# Allegro board meta_module_lay_rev1.brd (continued)
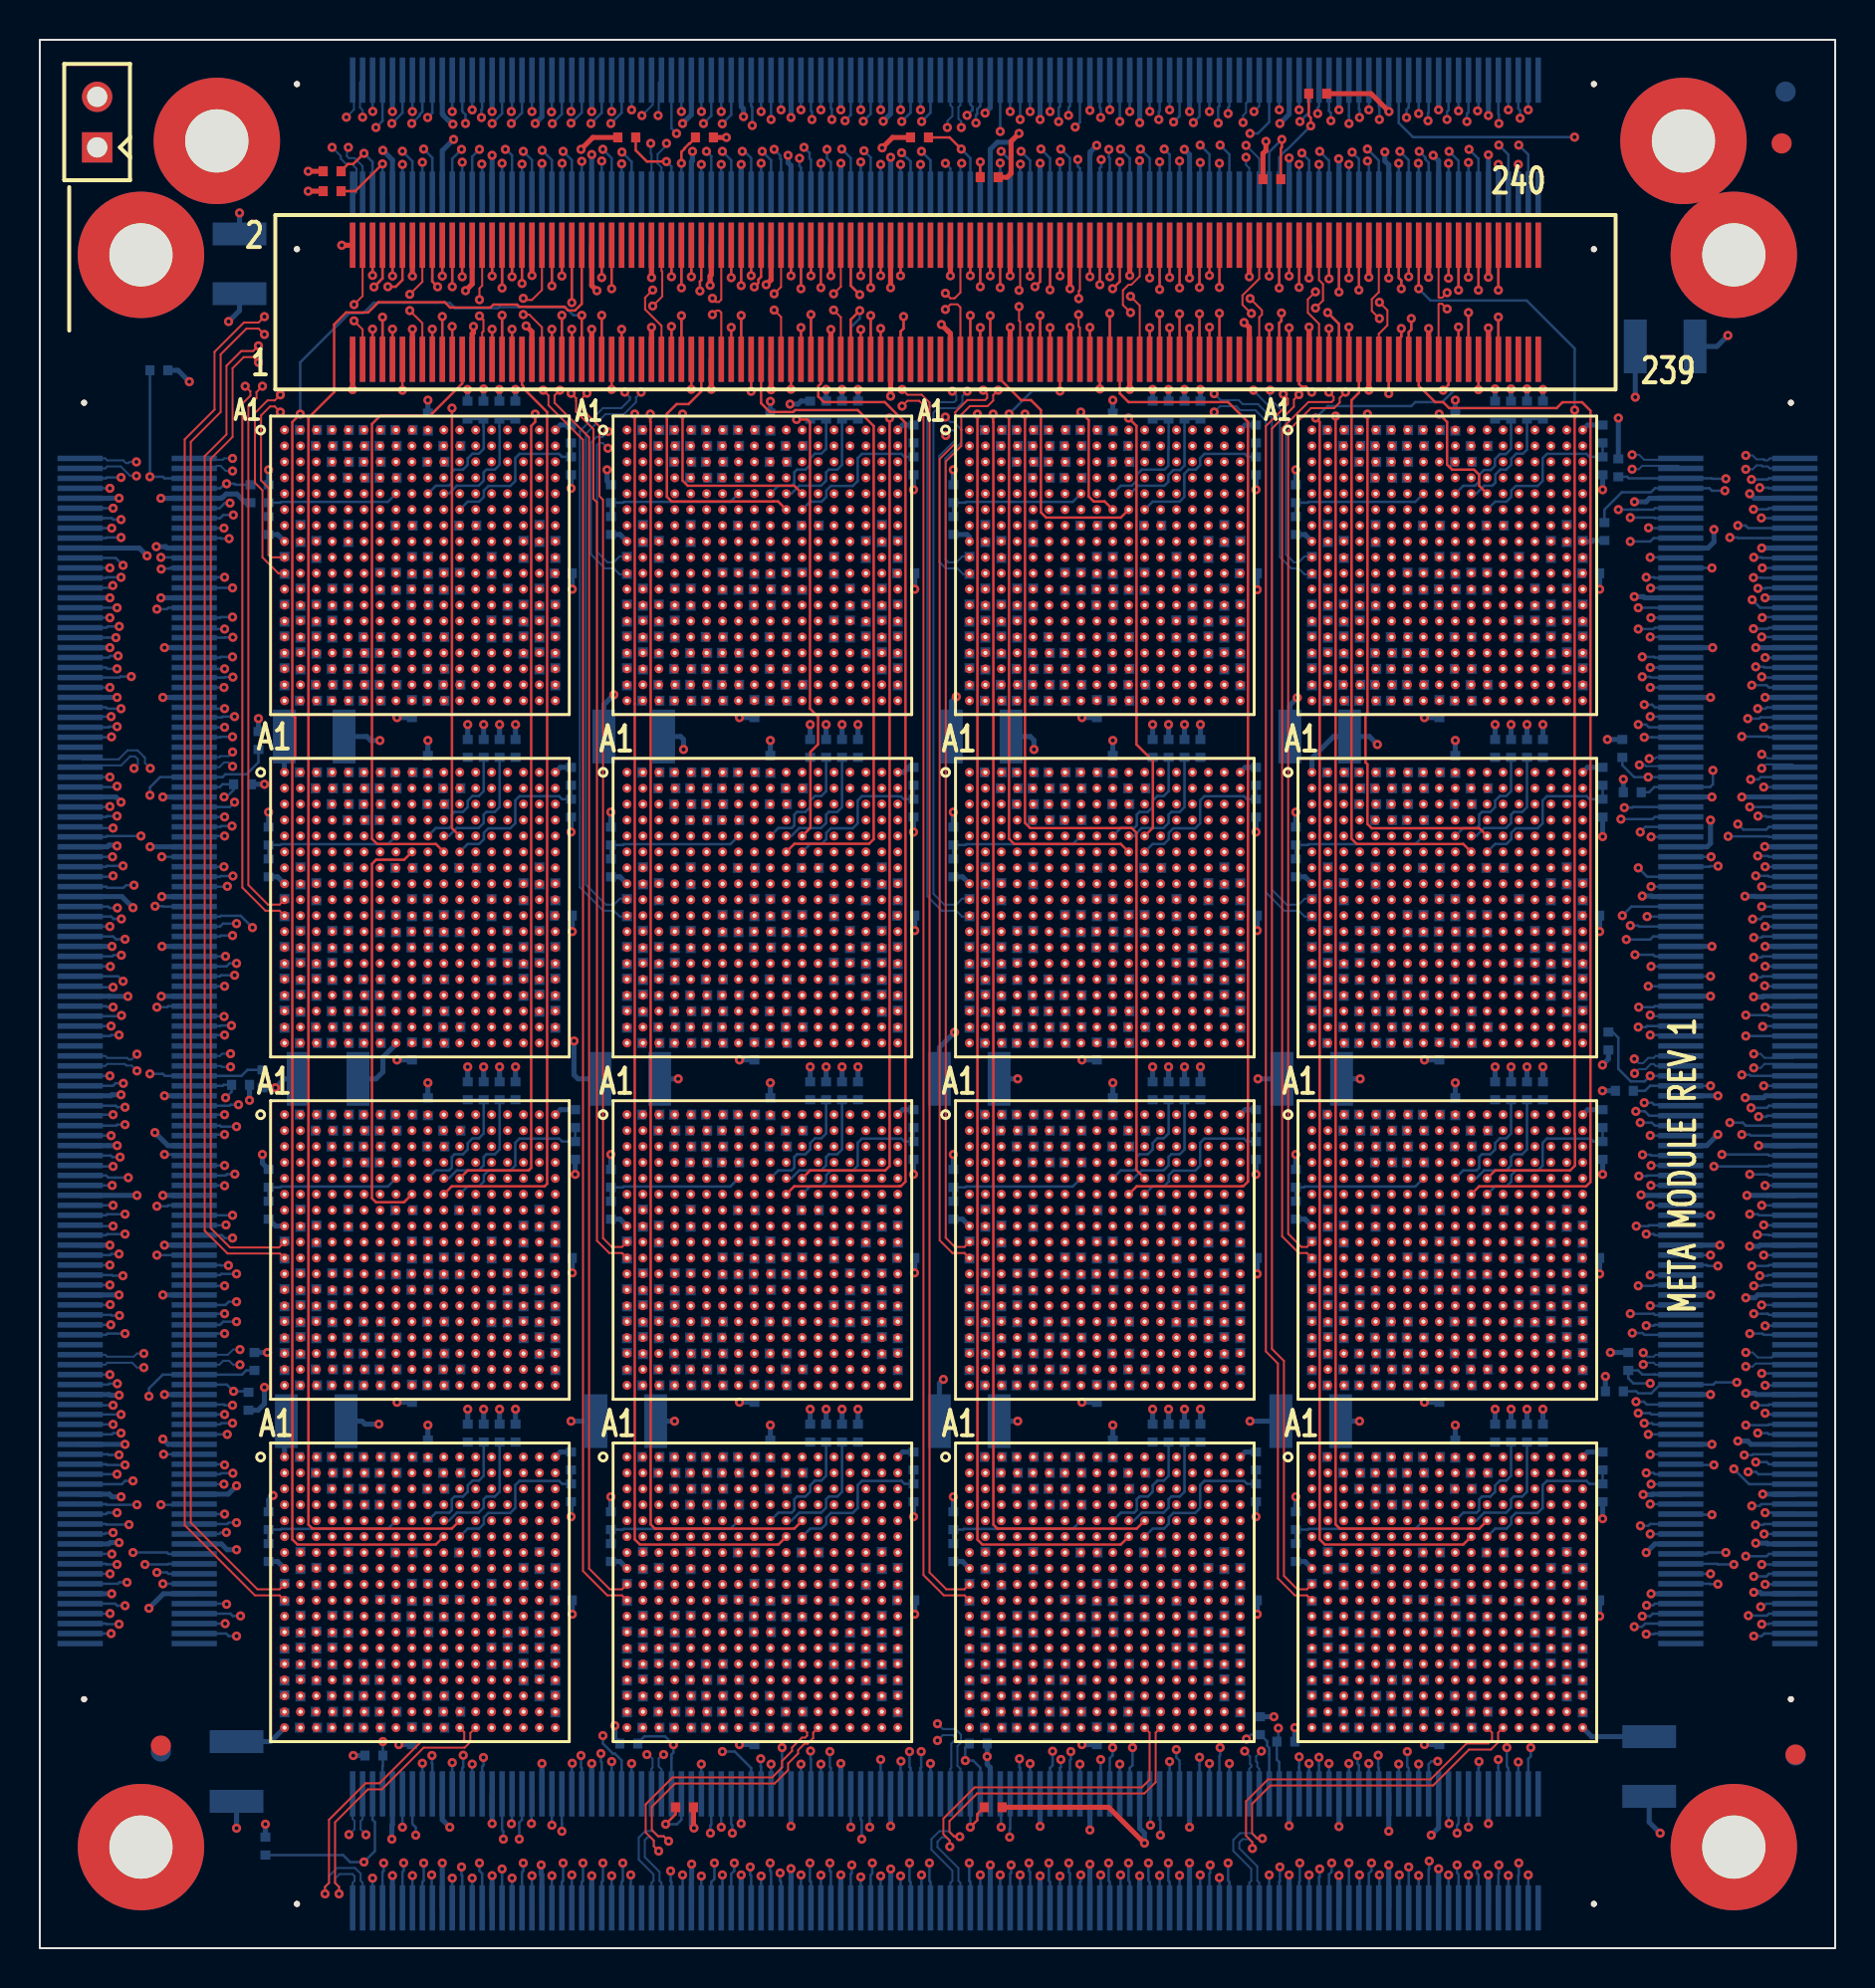
[diagram p0: board, top side]
## Routing (per net, layer and track width the routed paths; a pad name or vN(x,y) marks a point on that pad's centre or on a via; arc(x,y) is an arc through that point) (continued)
WE_DATA_N13_SNOW4-4: length 10.6
  SIGNAL_L5 w0.083: U16.N17 59.92,15.51 61.25,15.51 61.68,15.94 61.68,18.88 63.08,20.28 64.08,20.28 64.28,20.48 64.28,20.88 64.48,21.08 65.09,21.08 U14.E3
WE_DATA_N14: length 13.9
  SIGNAL_L9 w0.083: U2.M16 41.09,50.68 40.55,50.68 40.29,50.94 40.29,55.22 40.55,55.48 40.89,55.48 41.11,55.7 41.11,56.04 41.33,56.26 43.47,56.26 43.68,56.47 45.5,56.47 45.71,56.26 47.07,56.26 U8.D2
WE_DATA_N14_SNOW4-1: length 13.9
  SIGNAL_L9 w0.083: U2.D2 29.87,56.26 28.51,56.26 28.3,56.47 26.48,56.47 26.27,56.26 24.13,56.26 23.91,56.04 23.91,55.7 23.69,55.48 23.35,55.48 23.09,55.22 23.09,50.94 23.35,50.68 23.89,50.68 U4.M16
WE_DATA_N14_SNOW4-2: length 13.9
  SIGNAL_L9 w0.083: U6.D2 64.27,56.26 62.91,56.26 62.7,56.47 60.88,56.47 60.67,56.26 58.53,56.26 58.31,56.04 58.31,55.7 58.09,55.48 57.75,55.48 57.49,55.22 57.49,50.94 57.75,50.68 58.29,50.68 U8.M16
WE_DATA_N14_SNOW4-3: length 13.9
  SIGNAL_L9 w0.083: U12.M16 23.89,16.28 23.35,16.28 23.09,16.54 23.09,20.82 23.35,21.08 23.69,21.08 23.91,21.3 23.91,21.64 24.13,21.86 26.27,21.86 26.48,22.07 28.3,22.07 28.51,21.86 29.87,21.86 U10.D2
WE_DATA_N14_SNOW4-4: length 13.9
  SIGNAL_L9 w0.083: U16.M16 58.29,16.28 57.75,16.28 57.49,16.54 57.49,20.82 57.75,21.08 58.09,21.08 58.31,21.3 58.31,21.64 58.53,21.86 60.67,21.86 60.88,22.07 62.7,22.07 62.91,21.86 64.27,21.86 U14.D2
WE_DATA_N15: length 11.8
  SIGNAL_L5 w0.083: U2.L15 41.09,51.48 41.09,56.8 41.36,57.07 43.47,57.07 43.88,57.48 U8.C1
WE_DATA_N15_SNOW4-1: length 11.8
  SIGNAL_L5 w0.083: U4.L15 23.89,51.48 23.89,56.8 24.16,57.07 26.27,57.07 26.68,57.48 U2.C1
WE_DATA_N15_SNOW4-2: length 11.8
  SIGNAL_L5 w0.083: U6.C1 61.08,57.48 60.67,57.07 58.56,57.07 58.29,56.8 58.29,51.48 U8.L15
WE_DATA_N15_SNOW4-3: length 11.8
  SIGNAL_L5 w0.083: U12.L15 23.89,17.08 23.89,22.4 24.16,22.67 26.27,22.67 26.68,23.08 U10.C1
WE_DATA_N15_SNOW4-4: length 11.8
  SIGNAL_L5 w0.083: U14.C1 61.08,23.08 60.67,22.67 58.56,22.67 58.29,22.4 58.29,17.08 U16.L15
WE_DATA_N16: length 10.3
  SIGNAL_L5 w0.083: U9.T18 43.46,29.88 46.08,32.5 46.08,33.88 46.48,34.28 48.48,34.28 48.72,34.52 48.72,35.91 U15.H4
WE_DATA_N17: length 12.6
  SIGNAL_L9 w0.083: U9.R17 42.69,31.08 43.48,31.08 45.88,33.48 49.23,33.48 49.47,33.72 49.47,36.27 49.48,36.28 49.48,36.48 49.28,36.68 48.73,36.68 48.33,37.08 U15.G3
WE_DATA_N18: length 16.9
  SIGNAL_L6 w0.083: U15.F2 47.09,37.48 45.68,37.48 44.88,36.68 41.35,36.68 41.11,36.92 41.11,37.25 40.88,37.48 40.48,37.48 40.27,37.27 40.27,36.92 40.01,36.66 39.66,36.66 39.48,36.48 39.48,34.55 39.75,34.28 41.68,34.28 41.88,34.08 41.88,31.87 U9.P16
WE_DATA_N19: length 10.9
  SIGNAL_L5 w0.083: U9.N15 41.09,32.68 41.68,32.68 41.88,32.88 41.88,33.28 42.08,33.48 42.48,33.48 42.68,33.68 42.68,37.19 42.97,37.48 44.28,37.48 45.48,38.68 U15.E1
WE_DATA_N20: length 10.8
  SIGNAL_L5 w0.083: U15.F4 48.7,37.49 48.09,37.49 48.09,37.48 47.89,37.28 47.89,36.88 47.69,36.68 47.28,36.68 47.08,36.48 47.08,36.08 46.88,35.88 45.88,35.88 45.28,35.28 45.28,32.48 44.28,31.48 U9.P18
WE_DATA_N21: length 10.6
  SIGNAL_L5 w0.083: U9.N17 42.72,32.71 44.05,32.71 44.48,33.14 44.48,36.08 45.88,37.48 46.88,37.48 47.08,37.68 47.08,38.08 47.28,38.28 47.89,38.28 U15.E3
WE_DATA_N22: length 13.9
  SIGNAL_L9 w0.083: U9.M16 41.09,33.48 40.55,33.48 40.29,33.74 40.29,38.02 40.55,38.28 40.89,38.28 41.11,38.5 41.11,38.84 41.33,39.06 43.47,39.06 43.68,39.27 45.5,39.27 45.71,39.06 47.07,39.06 U15.D2
WE_DATA_N23: length 11.8
  SIGNAL_L5 w0.083: U9.L15 41.09,34.28 41.09,39.6 41.36,39.87 43.47,39.87 43.88,40.28 U15.C1
WE_DATA_N24: length 10.3
  SIGNAL_L5 w0.083: U10.T18 43.46,12.68 46.08,15.3 46.08,16.68 46.48,17.08 48.48,17.08 48.72,17.32 48.72,18.71 U16.H4
WE_DATA_N25: length 12.6
  SIGNAL_L9 w0.083: U16.G3 48.33,19.88 48.73,19.48 49.28,19.48 49.48,19.28 49.48,19.08 49.47,19.07 49.47,16.52 49.23,16.28 45.88,16.28 43.48,13.88 42.69,13.88 U10.R17
WE_DATA_N26: length 16.9
  SIGNAL_L6 w0.083: U16.F2 47.09,20.28 45.68,20.28 44.88,19.48 41.35,19.48 41.11,19.72 41.11,20.05 40.88,20.28 40.48,20.28 40.27,20.07 40.27,19.72 40.01,19.46 39.66,19.46 39.48,19.28 39.48,17.35 39.75,17.08 41.68,17.08 41.88,16.88 41.88,14.67 U10.P16
WE_DATA_N27: length 10.9
  SIGNAL_L5 w0.083: U10.N15 41.09,15.48 41.68,15.48 41.88,15.68 41.88,16.08 42.08,16.28 42.48,16.28 42.68,16.48 42.68,19.99 42.97,20.28 44.28,20.28 45.48,21.48 U16.E1
WE_DATA_N28: length 10.8
  SIGNAL_L5 w0.083: U16.F4 48.7,20.29 48.09,20.29 48.09,20.28 47.89,20.08 47.89,19.68 47.69,19.48 47.28,19.48 47.08,19.28 47.08,18.88 46.88,18.68 45.88,18.68 45.28,18.08 45.28,15.28 44.28,14.28 U10.P18
WE_DATA_N29: length 10.6
  SIGNAL_L5 w0.083: U16.E3 47.89,21.08 47.28,21.08 47.08,20.88 47.08,20.48 46.88,20.28 45.88,20.28 44.48,18.88 44.48,15.94 44.05,15.51 42.72,15.51 U10.N17
WE_DATA_N30: length 13.9
  SIGNAL_L9 w0.083: U10.M16 41.09,16.28 40.55,16.28 40.29,16.54 40.29,20.82 40.55,21.08 40.89,21.08 41.11,21.3 41.11,21.64 41.33,21.86 43.47,21.86 43.68,22.07 45.5,22.07 45.71,21.86 47.07,21.86 U16.D2
WE_DATA_N31: length 11.8
  SIGNAL_L5 w0.083: U16.C1 43.88,23.08 43.47,22.67 41.36,22.67 41.09,22.4 41.09,17.08 U10.L15
WE_DATA_OUT_N0: length 22.1
  SIGNAL_L10 w0.083: v1(4.18,69.48) 3.92,69.74 3.17,69.74 2.13,70.78 2.13,72.93 3.47,74.27 4.24,74.27 4.45,74.05 4.45,73.81 5.03,73.23 8.53,73.23 8.78,72.98 10.18,72.98 11.28,71.88 14.01,71.88 14.28,71.61 14.28,71.09 U3.H4
  BOTTOM w0.127: J6.22 3.81,69.85 v1(4.18,69.48)
WE_DATA_OUT_N1: length 15.5
  SIGNAL_L6 w0.083: v1(4.08,68.88) 6.68,68.88 7.08,69.28 11.28,69.28 11.88,68.68 14.03,68.68 14.28,68.93 14.28,71.09 U3.G3
  BOTTOM w0.127: J6.26 3.33,68.85 3.36,68.88 v1(4.08,68.88)
WE_DATA_OUT_N2: length 16.4
  SIGNAL_L5 w0.083: v1(3.88,67.35) 4.88,68.35 4.88,70.28 7.58,72.98 10.78,72.98 11.28,73.48 13.28,73.48 13.48,73.28 13.48,72.67 U3.F2
  BOTTOM w0.127: J6.32 v1(3.88,67.35)
WE_DATA_OUT_N3: length 13.8
  SIGNAL_L9 w0.083: U3.E1 11.92,73.08 11.87,73.03 9.33,73.03 7.28,70.98 7.28,69.7 v1(3.99,66.41)
  BOTTOM w0.127: J6.36 3.35,66.35 3.41,66.41 v1(3.99,66.41)
WE_DATA_OUT_N4: length 15.7
  SIGNAL_L5 w0.083: U3.F4 14.29,71.88 12.08,71.88 9.68,69.48 9.12,69.48 4.57,64.93 v1(3.93,64.93)
  BOTTOM w0.127: J6.42 3.46,64.84 3.54,64.93 v1(3.93,64.93)
WE_DATA_OUT_N5: length 16.7
  SIGNAL_L9 w0.083: v1(4.59,63.89) 5.76,63.89 12.17,70.3 12.45,70.3 12.67,70.52 12.67,70.87 12.88,71.08 13.3,71.08 13.51,71.29 13.51,72.7 U3.E3
  BOTTOM w0.127: J6.46 4,63.84 4.05,63.89 v1(4.59,63.89)
WE_DATA_OUT_N6: length 22.1
  SIGNAL_L9 w0.083: v1(4.08,62.28) 3.68,62.28 3.08,62.88 3.08,69.58 3.48,69.98 4.78,69.98 8.01,73.21 9.53,73.21 10.18,73.85 11.74,73.85 12.14,74.25 12.72,74.25 U3.D2
  BOTTOM w0.127: v1(4.08,62.28) 3.39,62.28 3.33,62.34 J6.52
WE_DATA_OUT_N7: length 22.5
  SIGNAL_L5 w0.083: U3.C1 11.69,75.28 9.08,75.28 3.98,70.18 3.66,70.18 3.08,69.59 3.08,67.69 3.08,67.69 3.08,61.75 3.45,61.38 v1(3.88,61.38)
  BOTTOM w0.127: v1(3.88,61.38) 3.49,61.38 3.45,61.34 J6.56
WE_DATA_OUT_N8: length 17.3
  SIGNAL_L10 w0.083: v1(3.65,54.84) 4.02,54.84 4.28,55.09 4.28,55.98 5.6,57.3 9.46,57.3 9.68,57.08 10.28,57.08 11.08,56.28 13.28,56.28 13.48,56.08 13.48,55.77 13.74,55.51 13.98,55.51 14.28,55.21 14.28,54.95 14.55,54.68 14.88,54.68 15.08,54.48 15.08,53.87 U4.H4
  BOTTOM w0.127: J6.82 v1(3.65,54.84)
WE_DATA_OUT_N9: length 16.1
  SIGNAL_L6 w0.083: v1(3.68,53.88) 6.88,53.88 7.88,52.88 10.75,52.88 12.15,51.48 14.03,51.48 14.28,51.73 14.28,53.89 U4.G3
  BOTTOM w0.127: J6.86 3.64,53.84 v1(3.68,53.88)
WE_DATA_OUT_N10: length 14.4
  SIGNAL_L5 w0.083: U4.F2 13.48,55.47 13.48,56.08 13.28,56.28 11.88,56.28 10.48,54.88 7.48,54.88 5.28,52.68 5.04,52.68 5.03,52.67 4.3,52.67 v1(3.89,52.27)
  BOTTOM w0.127: v1(3.89,52.27) 3.5,52.27 3.43,52.34 J6.92
WE_DATA_OUT_N11: length 12.1
  SIGNAL_L9 w0.083: v1(3.52,51.34) 5.69,51.34 10.24,55.88 U4.E1
  BOTTOM w0.127: v1(3.52,51.34) J6.96
WE_DATA_OUT_N12: length 14.8
  SIGNAL_L5 w0.083: U4.F4 14.29,54.68 11.88,54.68 7.09,49.89 v1(4.09,49.89)
  BOTTOM w0.127: J6.102 3.64,49.83 3.7,49.89 v1(4.09,49.89)
WE_DATA_OUT_N13: length 15.8
  SIGNAL_L9 w0.083: U4.E3 13.69,55.68 13.69,55.49 13.48,55.28 13.48,54.06 13.3,53.88 11.75,53.88 6.46,48.58 v1(4.18,48.58)
  BOTTOM w0.127: J6.106 3.93,48.83 v1(4.18,48.58)
WE_DATA_OUT_N14: length 19
  SIGNAL_L9 w0.083: v1(3.68,47.28) 2.88,48.08 2.88,51.78 3.78,52.68 5.44,52.68 7.64,54.88 8.88,54.88 10.68,56.68 11.77,56.68 12.14,57.05 12.72,57.05 U4.D2
  BOTTOM w0.127: v1(3.68,47.28) 3.38,47.28 3.33,47.33 J6.112
WE_DATA_OUT_N15: length 19
  SIGNAL_L5 w0.083: U4.C1 11.86,57.05 11.86,56.93 10.05,55.12 7.22,55.12 5.07,52.96 5.07,52.96 4.96,52.86 3.91,52.86 3.08,52.02 3.08,46.83 v1(3.58,46.33)
  BOTTOM w0.127: v1(3.58,46.33) J6.116
WE_DATA_OUT_N16: length 16.1
  SIGNAL_L10 w0.083: v1(4.03,39.75) 4.95,39.75 5.48,40.28 9.88,40.28 11.08,39.08 13.28,39.08 13.48,38.88 13.48,38.57 13.74,38.31 13.98,38.31 14.28,38.01 14.28,37.68 14.48,37.48 14.88,37.48 15.08,37.28 15.08,36.67 U11.H4
  BOTTOM w0.127: J6.142 3.56,39.83 3.64,39.75 v1(4.03,39.75)
WE_DATA_OUT_N17: length 19.7
  SIGNAL_L9 w0.083: U11.G3 14.29,37.48 14.88,37.48 15.08,37.68 15.08,39.61 15.07,39.62 15.07,39.64 14.85,39.86 14.83,39.86 14.8,39.9 14.53,39.9 14.31,40.12 14.31,40.39 14.27,40.42 14.27,40.44 14.05,40.66 13.7,40.66 13.48,40.88 13.48,41.28 13.28,41.48 12.88,41.48 12.67,41.69 12.67,42.04 12.45,42.26 12.43,42.26 12.41,42.28 11.48,42.28 9.69,40.49 6.22,40.49 v1(4.44,38.72)
  BOTTOM w0.127: J6.146 3.33,38.82 3.43,38.72 3.8,38.72 3.8,38.72 v1(4.44,38.72)
WE_DATA_OUT_N18: length 14.2
  SIGNAL_L5 w0.083: U11.F2 13.48,38.27 13.48,38.88 13.28,39.08 11.28,39.08 10.38,39.98 6.98,39.98 5.28,38.28 4.64,38.28 v1(3.68,37.32)
  BOTTOM w0.127: v1(3.68,37.32) J6.152
WE_DATA_OUT_N19: length 11.3
  SIGNAL_L9 w0.083: U11.E1 10.48,38.68 8.08,36.28 v1(3.68,36.28)
  BOTTOM w0.127: J6.156 2.07,36.28 v1(3.68,36.28)
WE_DATA_OUT_N20: length 13.9
  SIGNAL_L5 w0.083: U11.F4 14.29,37.48 6.97,37.48 4.37,34.88 v1(3.98,34.88)
  BOTTOM w0.127: J6.162 3.53,34.82 3.59,34.88 v1(3.98,34.88)
WE_DATA_OUT_N21: length 14.7
  SIGNAL_L9 w0.083: U11.E3 13.89,38.59 13.48,38.18 13.48,36.88 13.28,36.68 12.08,36.68 10.28,34.88 8.88,34.88 7.79,33.79 v1(4.17,33.79)
  BOTTOM w0.127: v1(4.17,33.79) 3.66,33.79 3.62,33.82 J6.166
WE_DATA_OUT_N22: length 17.6
  SIGNAL_L9 w0.083: U11.D2 12.72,39.85 12.14,39.85 11.77,39.48 10.48,39.48 10.18,39.78 8.98,39.78 5.71,36.51 4.13,36.51 3.95,36.68 3.55,36.68 3.08,36.21 3.08,32.79 v1(3.54,32.34)
  BOTTOM w0.127: J6.172 3.48,32.32 3.5,32.34 v1(3.54,32.34)
WE_DATA_OUT_N23: length 18.8
  SIGNAL_L5 w0.083: U11.C1 5.46,40.28 3.91,38.73 3.45,38.73 3.07,38.34 3.07,31.82 v1(3.56,31.32)
  BOTTOM w0.127: v1(3.56,31.32) 3.52,31.32 3.52,31.32 J6.176
WE_DATA_OUT_N24: length 16.6
  SIGNAL_L10 w0.083: U12.H4 15.08,19.47 15.08,20.08 14.88,20.28 14.48,20.28 14.28,20.48 14.28,20.81 13.98,21.11 13.74,21.11 13.48,21.37 13.48,21.68 13.28,21.88 10.68,21.88 9.68,22.88 7.48,22.88 5.58,24.78 4.35,24.78 4.35,24.78 v1(3.98,24.78)
  BOTTOM w0.127: J6.202 3.43,24.82 3.46,24.78 3.58,24.78 3.59,24.78 v1(3.98,24.78)
WE_DATA_OUT_N25: length 19.4
  SIGNAL_L9 w0.083: U12.G3 14.29,20.28 14.83,20.28 15.1,20.55 15.1,24.06 14.86,24.3 14.53,24.3 14.31,24.52 14.31,24.87 13.91,25.27 8.27,25.27 7.28,24.28 4.95,24.28 4.49,23.81 v1(3.88,23.81)
  BOTTOM w0.127: v1(3.88,23.81) J6.206
WE_DATA_OUT_N26: length 13.2
  SIGNAL_L5 w0.083: U12.F2 13.48,21.07 13.48,21.68 13.28,21.88 10.48,21.88 10.11,22.25 8.85,22.25 8.48,21.88 5.28,21.88 v1(4.88,22.28)
  BOTTOM w0.127: v1(4.88,22.28) 3.36,22.28 3.33,22.31 J6.212
WE_DATA_OUT_N27: length 11
  SIGNAL_L9 w0.083: v1(4.48,21.28) 7.88,21.28 8.87,22.27 10.49,22.27 11.28,21.48 U12.E1
  BOTTOM w0.127: J6.216 3.33,21.31 3.36,21.28 v1(4.48,21.28)
WE_DATA_OUT_N28: length 13.1
  SIGNAL_L5 w0.083: U12.F4 14.29,20.28 11.88,20.28 11.77,20.39 9.73,20.39 9.66,20.33 4.53,20.33 4.01,19.81 v1(3.62,19.81)
  BOTTOM w0.127: J6.222 3.55,19.81 3.55,19.81 v1(3.62,19.81)
WE_DATA_OUT_N29: length 14.8
  SIGNAL_L9 w0.083: U12.E3 13.89,21.39 13.48,20.98 13.48,19.66 13.3,19.48 12.08,19.48 10.48,17.88 4.09,17.88 3.53,18.44 v1(3.53,18.81)
  BOTTOM w0.127: v1(3.53,18.81) 3.51,18.81 J6.226
WE_DATA_OUT_N30: length 17.8
  SIGNAL_L9 w0.083: v1(4.28,17.21) 3.68,17.21 3.15,17.74 3.15,20.95 3.68,21.48 4.15,21.48 4.35,21.68 7.28,21.68 8.08,22.48 10.68,22.48 10.85,22.31 11.8,22.31 12.14,22.65 12.72,22.65 U12.D2
  BOTTOM w0.127: v1(4.28,17.21) 3.89,17.21 3.79,17.31 J6.232
WE_DATA_OUT_N31: length 18
  SIGNAL_L5 w0.083: v1(3.98,16.28) 3.48,16.28 3.15,16.61 3.15,21.95 3.45,22.25 4.18,22.25 4.6,22.68 10.34,22.68 10.48,22.68 11.08,23.28 11.72,23.28 11.92,23.08 U12.C1
  BOTTOM w0.127: v1(3.98,16.28) 3.35,16.28 3.33,16.31 J6.236
WE_DATA_OUT_P0: length 22.3
  SIGNAL_L10 w0.083: v1(3.52,69.35) 3.08,69.35 1.88,70.55 1.88,73.08 4.08,75.28 6.68,75.28 8.11,73.85 8.59,73.85 9.23,73.21 9.53,73.21 10.18,73.85 10.91,73.85 12.08,72.68 14.08,72.68 14.32,72.44 14.32,71.85 U3.G4
  BOTTOM w0.127: v1(3.52,69.35) J6.24
WE_DATA_OUT_P1: length 18.4
  SIGNAL_L6 w0.083: v1(3.66,68.46) 6.7,68.46 7.26,67.9 14.85,67.9 15.08,68.13 15.08,71.68 14.88,71.88 14.29,71.88 U3.F3
  BOTTOM w0.127: J6.28 3.55,68.35 v1(3.66,68.46)
WE_DATA_OUT_P2: length 13.6
  SIGNAL_L5 w0.083: U3.E2 12.69,72.68 12.08,72.68 9.28,69.88 7.48,69.88 4.45,66.85 v1(3.52,66.85)
  BOTTOM w0.127: v1(3.52,66.85) J6.34
WE_DATA_OUT_P3: length 14.7
  SIGNAL_L9 w0.083: U3.D1 12.67,73.5 12.67,72.87 12.48,72.68 12.07,72.68 5.24,65.85 v1(3.82,65.85)
  BOTTOM w0.127: J6.38 3.42,65.85 3.43,65.85 v1(3.82,65.85)
WE_DATA_OUT_P4: length 18.6
  SIGNAL_L5 w0.083: v1(3.88,64.28) 6.28,64.28 10.28,68.28 10.28,69.35 12.01,71.08 14.88,71.08 15.08,71.28 15.08,72.69 U3.E4
  BOTTOM w0.127: v1(3.88,64.28) 3.39,64.28 3.33,64.34 J6.44
WE_DATA_OUT_P5: length 17
  SIGNAL_L9 w0.083: U3.D3 13.48,73.47 13.48,72.95 13.47,72.94 13.47,72.92 13.21,72.66 12.93,72.66 12.71,72.44 12.71,72.11 12.48,71.88 12.15,71.88 9.88,69.61 9.41,69.61 5.68,65.88 5.68,65.5 v1(3.52,63.34)
  BOTTOM w0.127: v1(3.52,63.34) J6.48
WE_DATA_OUT_P6: length 22.6
  SIGNAL_L9 w0.083: v1(3.58,61.88) 2.88,62.58 2.88,69.68 3.48,70.28 4.28,70.28 9.48,75.48 11.48,75.48 11.88,75.08 12.69,75.08 U3.C2
  BOTTOM w0.127: v1(3.58,61.88) 2.06,61.88 J6.54
WE_DATA_OUT_P7: length 24.6
  SIGNAL_L5 w0.083: U3.B1 5.08,75.48 2.88,73.28 2.88,61.58 v1(3.6,60.86)
  BOTTOM w0.127: J6.58 3.58,60.84 v1(3.6,60.86)
WE_DATA_OUT_P8: length 15.1
  SIGNAL_L10 w0.083: U4.G4 14.26,54.71 13.74,54.71 13.46,54.99 13.46,55.23 13.21,55.48 8.68,55.48 7.88,56.28 4.88,56.28 4.58,55.98 4.58,54.78 v1(4.18,54.38)
  BOTTOM w0.127: J6.84 3.33,54.34 3.37,54.38 v1(4.18,54.38)
WE_DATA_OUT_P9: length 19.3
  SIGNAL_L6 w0.083: v1(4.73,53.41) 6.75,53.41 7.68,52.48 10.28,52.48 12.06,50.7 14.85,50.7 15.08,50.93 15.08,54.48 14.88,54.68 14.29,54.68 U4.F3
  BOTTOM w0.127: v1(4.73,53.41) 4.34,53.41 4.21,53.28 3.38,53.28 3.33,53.34 J6.88
WE_DATA_OUT_P10: length 12.8
  SIGNAL_L5 w0.083: U4.E2 12.69,55.48 12.18,55.48 12.15,55.45 12.14,55.45 11.92,55.23 11.92,55.22 8.41,51.71 v1(4.1,51.71)
  BOTTOM w0.127: v1(4.1,51.71) 3.7,51.71 3.58,51.83 J6.94
WE_DATA_OUT_P11: length 13.9
  SIGNAL_L9 w0.083: v1(4.28,50.69) 4.54,50.96 7.54,50.96 12.07,55.48 12.48,55.48 12.68,55.68 12.68,56.29 U4.D1
  BOTTOM w0.127: v1(4.28,50.69) 3.82,50.69 3.68,50.83 J6.98
WE_DATA_OUT_P12: length 17
  SIGNAL_L5 w0.083: U4.E4 15.08,55.49 15.08,54.08 14.88,53.88 11.75,53.88 7.19,49.32 v1(3.54,49.32)
  BOTTOM w0.127: v1(3.54,49.32) 3.53,49.32 3.52,49.33 J6.104
WE_DATA_OUT_P13: length 17.5
  SIGNAL_L9 w0.083: U4.D3 13.47,56.26 13.47,55.72 13.25,55.5 12.97,55.5 12.71,55.24 12.71,54.89 12.48,54.66 12.06,54.66 6.88,49.48 3.98,49.48 3.76,49.7 3.39,49.7 3.37,49.68 3.11,49.41 3.11,48.85 v1(3.68,48.28)
  BOTTOM w0.127: J6.108 2.08,48.28 v1(3.68,48.28)
WE_DATA_OUT_P14: length 21.7
  SIGNAL_L9 w0.083: U4.C2 12.69,57.88 11.68,57.88 10.91,57.11 9.72,57.11 9.62,57.21 8.91,57.21 7.28,55.58 7.28,54.98 5.32,53.02 3.82,53.02 2.67,51.87 2.67,47.49 3.3,46.86 v1(4.1,46.86)
  BOTTOM w0.127: v1(4.1,46.86) 4.07,46.83 J6.114
WE_DATA_OUT_P15: length 21.2
  SIGNAL_L5 w0.083: v1(3.98,45.88) 3.48,45.88 2.88,46.48 2.88,52.08 3.84,53.04 4.88,53.04 7.35,55.51 9.64,55.51 10.68,56.55 10.68,57.08 11.88,58.28 U4.B1
  BOTTOM w0.127: J6.118 3.54,45.83 3.59,45.88 v1(3.98,45.88)
WE_DATA_OUT_P16: length 14.2
  SIGNAL_L10 w0.083: U11.G4 14.41,37.08 13.98,37.51 13.74,37.51 13.46,37.79 13.46,38.03 13.21,38.28 11.28,38.28 9.78,39.78 6.98,39.78 6.48,39.28 v1(3.68,39.28)
  BOTTOM w0.127: v1(3.68,39.28) 2.07,39.28 J6.144
WE_DATA_OUT_P17: length 16.6
  SIGNAL_L9 w0.083: v1(3.63,38.33) 5.33,38.33 5.68,38.68 6.68,38.68 8.28,40.28 9.98,40.28 11.16,41.46 12.45,41.46 12.67,41.24 12.67,40.98 12.71,40.94 12.71,40.92 12.93,40.7 13.26,40.7 13.48,40.48 13.48,40.17 13.51,40.14 13.51,40.12 13.73,39.9 14.06,39.9 14.28,39.68 14.28,38.27 U11.F3
  BOTTOM w0.127: v1(3.63,38.33) J6.148
WE_DATA_OUT_P18: length 12.1
  SIGNAL_L5 w0.083: U11.E2 12.69,38.28 10.68,38.28 10.28,37.88 8.88,37.88 8.56,38.2 6,38.2 5.25,37.45 4.85,37.45 v1(4.28,36.88)
  BOTTOM w0.127: v1(4.28,36.88) 3.38,36.88 3.33,36.82 J6.154
WE_DATA_OUT_P19: length 12.9
  SIGNAL_L9 w0.083: v1(4.28,35.88) 8.08,35.88 10.48,38.28 12.43,38.28 12.67,38.52 12.67,39.1 U11.D1
  BOTTOM w0.127: v1(4.28,35.88) 3.38,35.88 3.33,35.82 J6.158
WE_DATA_OUT_P20: length 16.6
  SIGNAL_L5 w0.083: v1(3.52,34.32) 4.52,34.32 7.48,37.28 10.88,37.28 11.48,36.68 14.88,36.68 15.08,36.88 15.08,38.29 U11.E4
  BOTTOM w0.127: v1(3.52,34.32) J6.164
WE_DATA_OUT_P21: length 15.2
  SIGNAL_L9 w0.083: v1(3.52,33.32) 3.52,33.69 4.09,34.27 4.13,34.27 4.14,34.28 7.68,34.28 8.49,35.09 9.69,35.09 12.06,37.46 12.48,37.46 12.71,37.69 12.71,38.04 12.95,38.28 13.28,38.28 13.48,38.48 13.48,39.07 U11.D3
  BOTTOM w0.127: v1(3.52,33.32) J6.168
WE_DATA_OUT_P22: length 20.1
  SIGNAL_L9 w0.083: v1(4,31.79) 3.56,31.79 2.88,32.47 2.88,37.08 3.28,37.48 3.31,37.48 3.53,37.7 4.06,37.7 4.31,37.45 5.25,37.45 6.18,38.38 6.98,38.38 8.68,40.08 10.08,40.08 10.68,40.68 12.48,40.68 12.68,40.48 12.89,40.48 U11.C2
  BOTTOM w0.127: J6.174 3.58,31.82 3.61,31.79 v1(4,31.79)
WE_DATA_OUT_P23: length 21.4
  SIGNAL_L5 w0.083: U11.B1 10.25,41.08 9.68,40.51 5.43,40.51 3.83,38.91 3.31,38.91 2.88,38.48 2.88,31.48 3.48,30.88 v1(4.28,30.88)
  BOTTOM w0.127: J6.178 3.33,30.82 3.39,30.88 v1(4.28,30.88)
WE_DATA_OUT_P24: length 14.6
  SIGNAL_L10 w0.083: U12.G4 14.41,19.88 13.98,20.31 13.74,20.31 13.46,20.59 13.46,20.83 13.21,21.08 10.88,21.08 9.48,22.48 7.28,22.48 5.48,24.28 v1(4.28,24.28)
  BOTTOM w0.127: J6.204 3.33,24.31 3.36,24.28 v1(4.28,24.28)
WE_DATA_OUT_P25: length 16.6
  SIGNAL_L9 w0.083: v1(4.68,23.48) 7.48,23.48 8.68,24.68 11.68,24.68 12.08,24.28 14.01,24.28 14.03,24.26 14.05,24.26 14.27,24.04 14.27,24.02 14.28,24.01 14.28,21.07 U12.F3
  BOTTOM w0.127: v1(4.68,23.48) 4.29,23.48 4.12,23.31 J6.208
WE_DATA_OUT_P26: length 12.1
  SIGNAL_L5 w0.083: U12.E2 12.69,21.08 11.88,21.08 11.43,20.63 9.63,20.63 9.51,20.51 5.95,20.51 4.58,21.88 v1(3.88,21.88)
  BOTTOM w0.127: v1(3.88,21.88) 3.39,21.88 3.33,21.81 J6.214
WE_DATA_OUT_P27: length 12.3
  SIGNAL_L9 w0.083: v1(3.68,20.88) 7.78,20.88 8.18,20.48 10.28,20.48 10.88,21.08 12.48,21.08 12.67,21.27 12.67,21.32 12.67,21.32 12.67,21.9 U12.D1
  BOTTOM w0.127: J6.218 3.27,20.81 3.32,20.86 3.66,20.86 v1(3.68,20.88)
WE_DATA_OUT_P28: length 15.3
  SIGNAL_L5 w0.083: U12.E4 15.08,21.09 15.08,19.68 14.88,19.48 6.28,19.48 6.11,19.65 5.12,19.65 4.75,19.28 v1(3.88,19.28)
  BOTTOM w0.127: v1(3.88,19.28) 3.36,19.28 3.33,19.31 J6.224
WE_DATA_OUT_P29: length 14.4
  SIGNAL_L9 w0.083: v1(4.38,18.38) 4.38,18.98 5.05,19.65 5.12,19.65 5.13,19.65 5.43,19.65 5.44,19.65 10.87,19.65 11.52,20.3 12.45,20.3 12.67,20.52 12.67,20.8 12.93,21.06 13.26,21.06 13.47,21.28 13.47,21.86 U12.D3
  BOTTOM w0.127: J6.228 3.92,18.31 3.99,18.38 v1(4.38,18.38)
WE_DATA_OUT_P30: length 17.6
  SIGNAL_L9 w0.083: v1(3.53,16.82) 2.88,17.46 2.88,21.49 3.7,22.31 4.23,22.31 4.79,22.86 10.26,22.86 10.88,23.48 12.69,23.48 U12.C2
  BOTTOM w0.127: v1(3.53,16.82) 3.52,16.82 3.51,16.81 J6.234
WE_DATA_OUT_P31: length 18.6
  SIGNAL_L5 w0.083: v1(3.58,15.81) 2.88,16.51 2.88,22.28 3.68,23.08 4.48,23.08 4.7,22.86 10.26,22.86 11.28,23.88 U12.B1
  BOTTOM w0.127: v1(3.58,15.81) J6.238
WE_DATA_P0: length 12.2
  SIGNAL_L5 w0.083: U1.U18 42.72,63.85 42.72,64.43 42.97,64.68 43.49,64.68 45.68,66.87 45.68,68.88 46.28,69.48 47.68,69.48 47.88,69.68 47.88,70.79 48.17,71.08 48.69,71.08 U7.G4
WE_DATA_P0_SNOW4-1: length 12.2
  SIGNAL_L5 w0.083: U1.G4 31.49,71.08 30.97,71.08 30.68,70.79 30.68,69.68 30.48,69.48 29.08,69.48 28.48,68.88 28.48,66.87 26.29,64.68 25.77,64.68 25.52,64.43 25.52,63.85 U3.U18
WE_DATA_P0_SNOW4-2: length 12.2
  SIGNAL_L5 w0.083: U5.G4 65.89,71.08 65.37,71.08 65.08,70.79 65.08,69.68 64.88,69.48 63.48,69.48 62.88,68.88 62.88,66.87 60.69,64.68 60.17,64.68 59.92,64.43 59.92,63.85 U7.U18
WE_DATA_P0_SNOW4-3: length 12.2
  SIGNAL_L5 w0.083: U9.G4 31.49,36.68 30.97,36.68 30.68,36.39 30.68,35.28 30.48,35.08 29.08,35.08 28.48,34.48 28.48,32.47 26.29,30.28 25.77,30.28 25.52,30.03 25.52,29.45 U11.U18
WE_DATA_P0_SNOW4-4: length 12.2
  SIGNAL_L5 w0.083: U15.U18 59.92,29.45 59.92,30.03 60.17,30.28 60.69,30.28 62.88,32.47 62.88,34.48 63.48,35.08 64.88,35.08 65.08,35.28 65.08,36.39 65.37,36.68 65.89,36.68 U13.G4
WE_DATA_P1: length 15.4
  SIGNAL_L9 w0.083: U7.F3 48.69,71.88 49.28,71.88 49.48,71.68 49.48,71.35 49.73,71.1 50.06,71.1 50.28,70.88 50.28,68.08 50.08,67.88 49.68,67.88 49.47,67.67 49.47,67.21 49.32,67.06 46.26,67.06 43.88,64.68 42.69,64.68 U1.T17
WE_DATA_P1_SNOW4-1: length 15.4
  SIGNAL_L9 w0.083: U3.T17 25.49,64.68 26.68,64.68 29.06,67.06 32.12,67.06 32.27,67.21 32.27,67.67 32.48,67.88 32.88,67.88 33.08,68.08 33.08,70.88 32.86,71.1 32.53,71.1 32.28,71.35 32.28,71.68 32.08,71.88 31.49,71.88 U1.F3
WE_DATA_P1_SNOW4-2: length 15.4
  SIGNAL_L9 w0.083: U7.T17 59.89,64.68 61.08,64.68 63.46,67.06 66.52,67.06 66.67,67.21 66.67,67.67 66.88,67.88 67.28,67.88 67.48,68.08 67.48,70.88 67.26,71.1 66.93,71.1 66.68,71.35 66.68,71.68 66.48,71.88 65.89,71.88 U5.F3
WE_DATA_P1_SNOW4-3: length 15.4
  SIGNAL_L9 w0.083: U9.F3 31.49,37.48 32.08,37.48 32.28,37.28 32.28,36.95 32.53,36.7 32.86,36.7 33.08,36.48 33.08,33.68 32.88,33.48 32.48,33.48 32.27,33.27 32.27,32.81 32.12,32.66 29.06,32.66 26.68,30.28 25.49,30.28 U11.T17
WE_DATA_P1_SNOW4-4: length 15.4
  SIGNAL_L9 w0.083: U13.F3 65.89,37.48 66.48,37.48 66.68,37.28 66.68,36.95 66.93,36.7 67.26,36.7 67.48,36.48 67.48,33.68 67.28,33.48 66.88,33.48 66.67,33.27 66.67,32.81 66.52,32.66 63.46,32.66 61.08,30.28 59.89,30.28 U15.T17
WE_DATA_P2: length 19.1
  SIGNAL_L6 w0.083: U1.R16 41.08,65.49 41.08,67.63 40.85,67.86 38.97,67.86 38.71,68.12 38.71,70.88 38.91,71.08 39.28,71.08 39.48,71.28 39.48,71.61 39.73,71.86 40.06,71.86 40.28,72.08 40.28,72.48 40.48,72.68 41.68,72.68 41.88,72.48 41.88,72.08 42.08,71.88 44.28,71.88 44.88,72.48 46.28,72.48 46.5,72.7 47.11,72.7 U7.E2
WE_DATA_P2_SNOW4-1: length 19.1
  SIGNAL_L6 w0.083: U3.R16 23.88,65.49 23.88,67.63 23.65,67.86 21.77,67.86 21.51,68.12 21.51,70.88 21.71,71.08 22.08,71.08 22.28,71.28 22.28,71.61 22.53,71.86 22.86,71.86 23.08,72.08 23.08,72.48 23.28,72.68 24.48,72.68 24.68,72.48 24.68,72.08 24.88,71.88 27.08,71.88 27.68,72.48 29.08,72.48 29.3,72.7 29.91,72.7 U1.E2
WE_DATA_P2_SNOW4-2: length 19.1
  SIGNAL_L6 w0.083: U5.E2 64.31,72.7 63.7,72.7 63.48,72.48 62.08,72.48 61.48,71.88 59.28,71.88 59.08,72.08 59.08,72.48 58.88,72.68 57.68,72.68 57.48,72.48 57.48,72.08 57.26,71.86 56.93,71.86 56.68,71.61 56.68,71.28 56.48,71.08 56.11,71.08 55.91,70.88 55.91,68.12 56.17,67.86 58.05,67.86 58.28,67.63 58.28,65.49 U7.R16
WE_DATA_P2_SNOW4-3: length 19.1
  SIGNAL_L6 w0.083: U9.E2 29.91,38.3 29.3,38.3 29.08,38.08 27.68,38.08 27.08,37.48 24.88,37.48 24.68,37.68 24.68,38.08 24.48,38.28 23.28,38.28 23.08,38.08 23.08,37.68 22.86,37.46 22.53,37.46 22.28,37.21 22.28,36.88 22.08,36.68 21.71,36.68 21.51,36.48 21.51,33.72 21.77,33.46 23.65,33.46 23.88,33.23 23.88,31.09 U11.R16
WE_DATA_P2_SNOW4-4: length 19.1
  SIGNAL_L6 w0.083: U13.E2 64.31,38.3 63.7,38.3 63.48,38.08 62.08,38.08 61.48,37.48 59.28,37.48 59.08,37.68 59.08,38.08 58.88,38.28 57.68,38.28 57.48,38.08 57.48,37.68 57.26,37.46 56.93,37.46 56.68,37.21 56.68,36.88 56.48,36.68 56.11,36.68 55.91,36.48 55.91,33.72 56.17,33.46 58.05,33.46 58.28,33.23 58.28,31.09 U15.R16
WE_DATA_P3: length 13.3
  SIGNAL_L5 w0.083: U7.D1 45.28,73.88 44.08,72.68 42.08,72.68 41.88,72.48 41.88,68.08 41.68,67.88 41.28,67.88 41.08,67.68 41.08,67.34 40.82,67.08 40.48,67.08 40.28,66.88 40.28,66.29 U1.P15
WE_DATA_P3_SNOW4-1: length 13.3
  SIGNAL_L5 w0.083: U3.P15 23.08,66.29 23.08,66.88 23.28,67.08 23.62,67.08 23.88,67.34 23.88,67.68 24.08,67.88 24.48,67.88 24.68,68.08 24.68,72.48 24.88,72.68 26.88,72.68 28.08,73.88 U1.D1
WE_DATA_P3_SNOW4-2: length 13.3
  SIGNAL_L5 w0.083: U7.P15 57.48,66.29 57.48,66.88 57.68,67.08 58.02,67.08 58.28,67.34 58.28,67.68 58.48,67.88 58.88,67.88 59.08,68.08 59.08,72.48 59.28,72.68 61.28,72.68 62.48,73.88 U5.D1
WE_DATA_P3_SNOW4-3: length 13.3
  SIGNAL_L5 w0.083: U9.D1 28.08,39.48 26.88,38.28 24.88,38.28 24.68,38.08 24.68,33.68 24.48,33.48 24.08,33.48 23.88,33.28 23.88,32.94 23.62,32.68 23.28,32.68 23.08,32.48 23.08,31.89 U11.P15
